# Altium PCB V1.0.PcbDoc (part 2 of 2)
Units mm, origin at the board's own origin, x right, y up, seen from the top; angles counter-clockwise.
Board outline 34 x 46.23 mm, 6 copper layers (TOP01, SIG02, SIG03, PWR04, GND05, BOTTOM06), stack 1.538 mm thick; 136 components, 92 nets, 515 pads, 196 vias.
Unrouted connection lines stored in the file: 94.
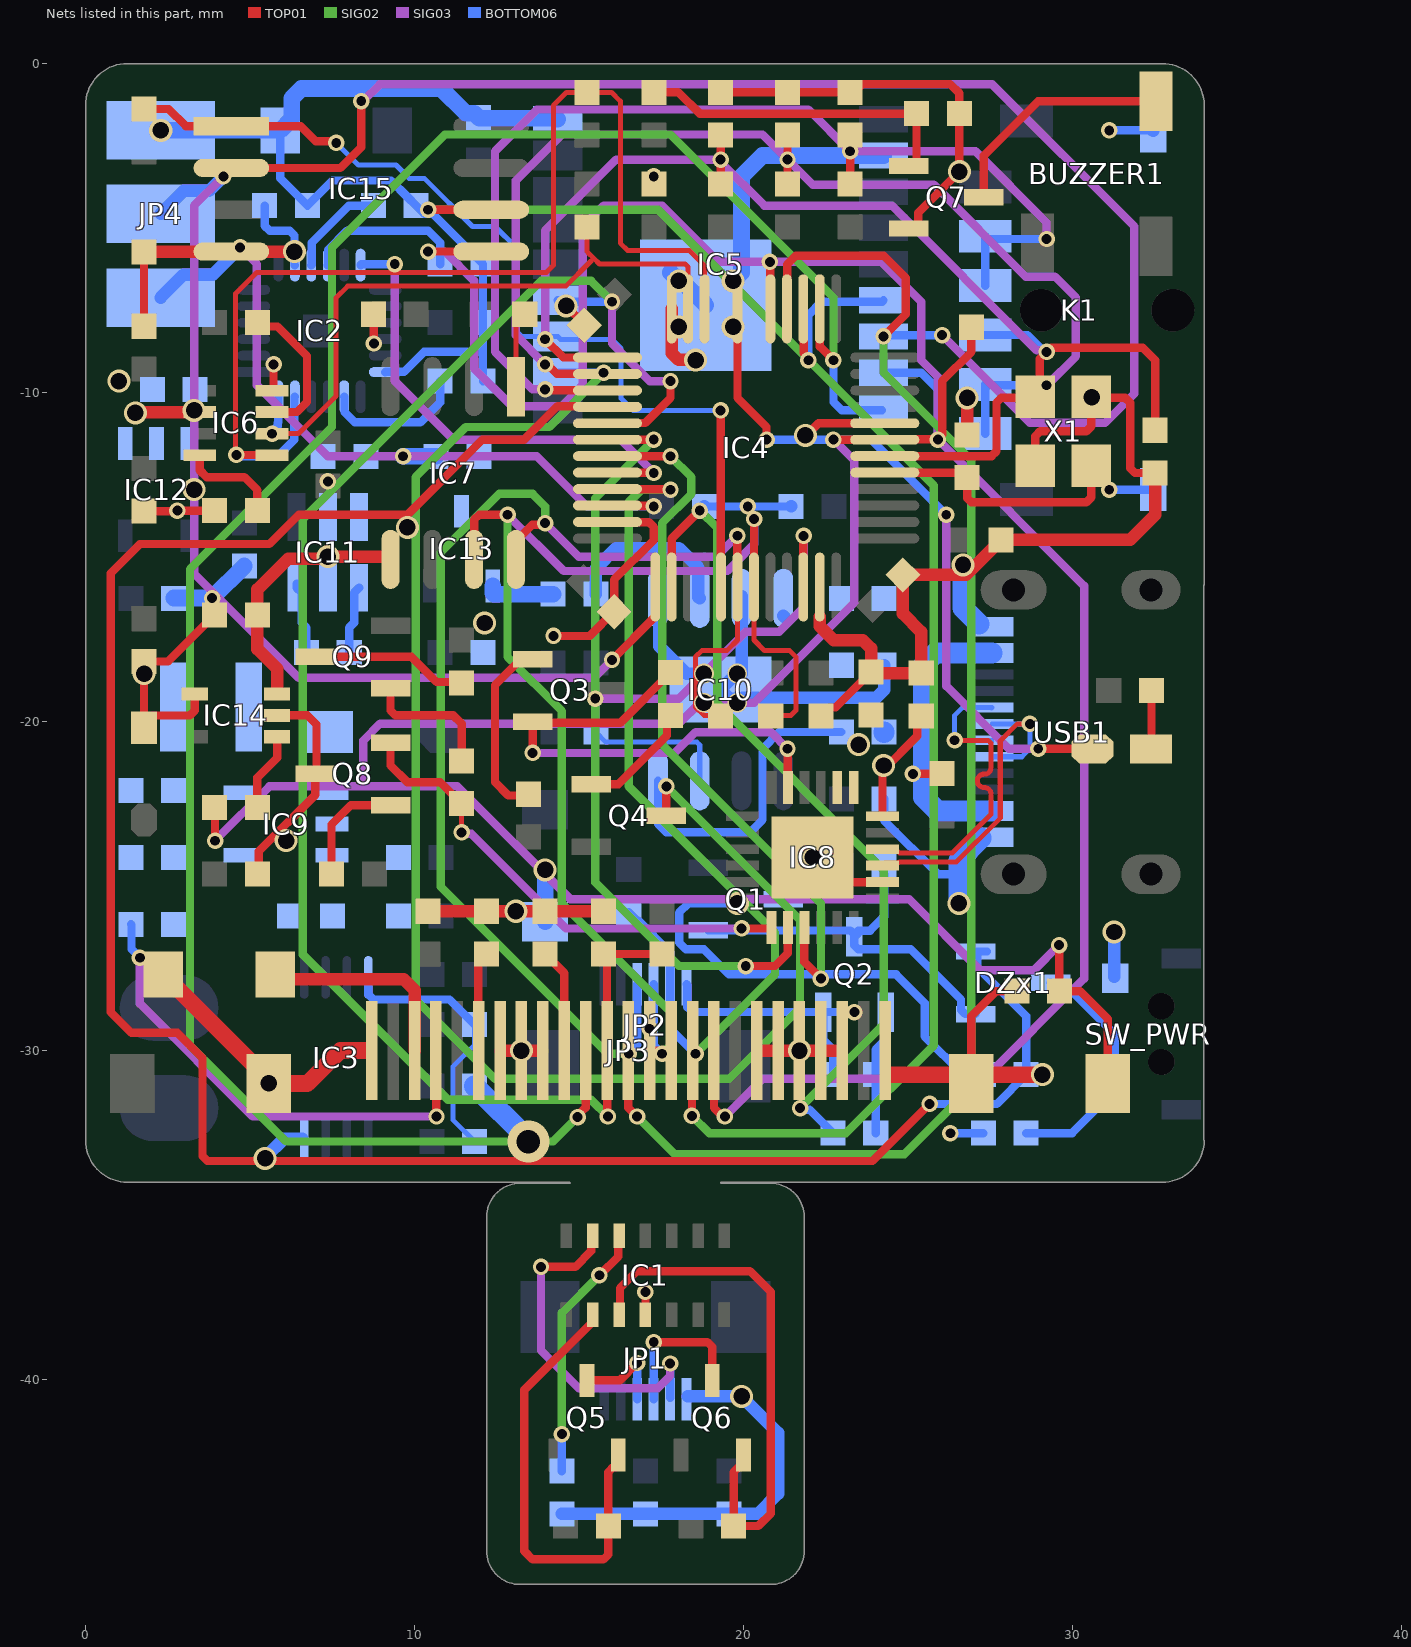
[diagram p6: the nets of this part, all layers, seen from the top]

## Via types
v1: diameter 0.5, hole 0.3, TOP01 to SIG03, tented both sides, 43 vias
v2: diameter 0.7, hole 0.5, PWR04 to BOTTOM06, tented both sides, 19 vias
v3: diameter 0.5, hole 0.3, SIG03 to BOTTOM06, tented both sides, 18 vias
v4: diameter 0.7, hole 0.5, TOP01 to GND05, tented both sides, 15 vias
v5: diameter 0.7, hole 0.5, GND05 to BOTTOM06, tented both sides, 14 vias
v6: diameter 0.5, hole 0.3, TOP01 to BOTTOM06, tented both sides, 14 vias
v7: diameter 0.5, hole 0.3, TOP01 to SIG02, tented both sides, 13 vias
v8: diameter 0.7, hole 0.5, TOP01 to PWR04, tented both sides, 13 vias
v9: diameter 0.5, hole 0.3, TOP01 to PWR04, tented both sides, 11 vias
v10: diameter 0.5, hole 0.3, TOP01 to GND05, tented both sides, 8 vias
v11: diameter 0.5, hole 0.3, GND05 to BOTTOM06, tented both sides, 8 vias
v12: diameter 0.5, hole 0.3, SIG02 to BOTTOM06, tented both sides, 7 vias
v13: diameter 0.6, hole 0.5, GND05 to BOTTOM06, tented both sides, 4 vias
v14: diameter 1.27, hole 0.711, GND05 to BOTTOM06, tented both sides, 3 vias
v15: diameter 0.5, hole 0.3, PWR04 to BOTTOM06, tented both sides, 2 vias
v16: diameter 0.8, hole 0.7, TOP01 to BOTTOM06, tented both sides, 2 vias
v17: diameter 0.7, hole 0.5, TOP01 to BOTTOM06, tented both sides, 1 vias
v18: diameter 1.27, hole 0.711, PWR04 to BOTTOM06, tented both sides, 1 vias

## Nets (pads, with @x,y where several pads share a name; then routed paths per layer and width w, separated by ;. In a path a pad name is that pad's centre, name@x,y a point inside that pad or via, vN(x,y) a via of type N, cw(c..) or ccw(c..) an arc to the next point about the centre after c; other vN are vias at no path point) (continued)
GND: C1.2 C2.1 C3.2 C4.1 C6.2 C7.2 C8.1 C9.2 C10.1 C11.1 C12.2 C13.2 C14.2 C15.2 C16.2 C17.2 C18.1 C19.1 C20.1 C21.1 C22.1 C24.1 C25.1 C26.1 C27.1 C28.2 C29.2 C30.2 C31.2 C32.1 C33.2 C34.2 C35.2 C36.2 C37.2 C38.2 C39.1 C41.1 C42.2 C43.1 C44.2 E1.2 E2.2 IC1.4 IC2.18 IC3.4 IC4.8 IC4.23 IC4.35 IC4.47 IC5.2 IC5.18 IC5.19 IC6.1 IC6.7 IC7.5 IC8.2 IC8.25 IC9.2 IC10.1 IC10.3 IC10.9 IC11.2 IC12.2 IC13.1 IC14.3 IC15.4 JP1.6 JP2.1 JP3.1 JP3.7 JP3.8 JP3.9 JP3.14 JP3.15 JP3.19 JP3.20 JP3.21 JP3.22 JP3.23 JP3.25 JP4.1 K1.a Q2.2 Q7.2 R4.2 R6.1 R7.2 R9.1 R24.1 R33.1 R34.1 R35.1 R36.1 R38.2 R39.2 R46.1 SW_PWR.2 SW_RST1.2 SW_RST2.2 USB1.A1B12 USB1.B1A12 X1.2 X1.4 | length 201.2
  TOP01 w0.254: C15.2@1.778,-7.986 C43.1@1.778,-5.73 ; C14.2@1.793,-13.589 C14.2@1.778,-13.604 2.779,-13.604 v10(2.794,-13.589) 3.795,-13.589 R24.1@3.81,-13.604 ; IC6.1@5.672,-9.942 5.715,-9.899 v10(5.715,-9.144) ; C16.2@8.748,-7.62 8.763,-7.635 v10(8.763,-8.509) ; v10(14.224,-17.399) 15.326,-17.399 C20.1@16.065,-16.66 16.065,-15.689 17.272,-14.481 17.272,-14.092 17.123,-13.943 15.873,-13.943 IC4.35@15.864,-13.934 ; v4(14.605,-7.366) 15.161,-7.922 C19.1@15.161,-7.953 ; IC1.4@17.018,-38.03 v10(17.018,-37.338) ; JP3.14@17.15,-30 JP3.15@17.8,-30 ; v4@18.533,-9.008 v4(18.542,-9.017) ; C17.2@19.304,-0.874 C13.2@21.336,-0.874 23.368,-0.874 23.62,-0.623 26.277,-0.623 26.558,-0.904 R46.1@26.558,-1.524 v4(26.558,-3.287) 25.313,-4.532 25.313,-4.891 25.19,-5.014 Q7.2@25.019,-5.014 ; v4@21.844,-11.303 21.911,-11.303 22.28,-10.934 IC4.8@24.293,-10.934 ; v4(22.098,-24.13) 22.848,-24.88 IC8.2@24.223,-24.88 ; IC4.47@22.316,-15.911 IC4.47@22.325,-15.92 ; R39.2@22.352,-19.827 22.606,-19.573 22.8,-19.573 C34.2@23.876,-18.497 C34.2@23.906,-18.527 ; v10(25.146,-21.59) C29.2@26.02,-21.59 ; SW_RST2.2@26.925,-30.775 26.925,-28.955 27.686,-28.194 C32.1@28.306,-28.194 ; X1.4@28.868,-12.226 28.868,-11.325 29.017,-11.176 30.419,-11.176 30.568,-11.027 X1.2@30.568,-10.126 30.602,-10.16 31.601,-10.16 31.75,-10.309 31.75,-12.297 31.899,-12.446 C33.2@32.512,-12.446
  TOP01 w0.381: v4(1.514,-10.619) 1.528,-10.605 3.458,-10.605 IC6.7@3.472,-10.592 ; C43.1@1.778,-5.73 1.786,-5.723 4.425,-5.723 IC15.4@4.432,-5.715 v4(6.35,-5.715) ; IC14.3@5.822,-19.162 5.822,-18.395 5.222,-17.795 5.222,-15.987 6.162,-15.047 7.305,-15.047 v4(7.366,-14.986) 9.193,-14.986 9.271,-15.064 IC7.5@9.271,-15.071 ; C24.1@10.414,-25.766 C25.1@12.192,-25.766 R35.1@13.97,-25.766 C39.1@15.748,-25.766 ; JP3.7@12.621,-30.013 12.634,-30 v4(13.25,-30) 13.869,-30 JP3.9@13.878,-30.009 ; IC4.23@17.816,-7.457 17.816,-8.799 18.025,-9.008 v4@18.533,-9.008 ; JP3.19@20.426,-30.001 20.427,-30 JP3.20@21.05,-30 v4(21.7,-30) JP3.22@22.35,-30 22.974,-30 JP3.23@22.98,-30.005 ; IC4.47@22.319,-16.816 22.319,-17.104 22.74,-17.526 23.622,-17.526 23.876,-17.78 C34.2@23.876,-18.497 ; C34.2@23.906,-18.527 C30.2@25.4,-18.527 25.4,-17.272 24.844,-16.716 C21.1@24.844,-15.542 26.764,-15.542 C22.1@27.828,-14.478 31.75,-14.478 32.512,-13.716 C33.2@32.512,-12.446 ; C31.2@26.797,-11.288 v4(26.797,-10.16)
  TOP01 w0.508: E2.2@2.364,-27.686 2.364,-27.786 2.71,-28.132 2.81,-28.132 5.032,-30.354 5.154,-30.354 5.575,-30.775 v4(5.575,-31) 6.743,-31 7.743,-30 JP3.1@8.606,-30 ; JP3.25@24.397,-30.734 26.659,-30.734 SW_RST2.2@26.925,-31 27.191,-30.734 v4(29.083,-30.734) ; C29.2@26.02,-21.59 C29.2@26.035,-21.575
  BOTTOM06 w0.254: C7.2@5.92,-2.132 5.92,-3.492 C3.2@6.746,-4.318 7.508,-3.556 9.286,-3.556 9.794,-4.064 R4.2@10.048,-4.318 10.302,-4.572 10.556,-4.572 C9.2@12.08,-6.096 C11.1@12.08,-7.874 12.08,-8.763 ; C7.2@5.92,-2.048 C7.2@5.92,-2.032 ; IC2.18@9.112,-9.378 9.121,-9.369 9.681,-9.369 10.287,-8.763 12.08,-8.763 ; C8.1@12.08,-9.652 12.08,-8.763 ; JP2.1@18.268,-27.983 18.291,-28.006 18.291,-28.68 18.44,-28.829 Q2.2@22.418,-28.829 ; C10.1@18.811,-13.462 C18.1@21.448,-13.462 ; R9.1@22.718,-30.734 22.718,-29.972 22.418,-29.672 Q2.2@22.418,-28.829 ; v11(23.368,-28.829) Q2.2@22.418,-28.829 ; C28.2@24.272,-22.352 24.272,-23.002 25.908,-24.638 26.543,-24.638 ; v11(26.289,-32.512) C2.1@27.29,-32.512 ; v11(31.115,-12.954) K1.a@32.446,-12.954 ; v11(31.115,-2.032) K1.a@32.432,-2.032 ; SW_PWR.2@31.261,-27.761 SW_PWR.2@31.3,-27.8
  BOTTOM06 w0.381: v5(5.461,-33.274) 5.461,-33.255 6.04,-32.676 IC3.4@6.584,-32.676 ; R6.1@14.478,-44.084 C1.2@17.018,-44.084 C4.1@19.558,-44.084 20.432,-44.084 21.047,-43.469 21.047,-41.621 v5(19.939,-40.513) ; IC10.1@17.401,-16.254 IC10.1@17.399,-16.256 17.441,-16.298 17.441,-17.715 18.268,-18.542 v13(18.796,-18.542) ; JP1.6@18.308,-40.513 v5@20.025,-40.513 ; IC5.19@19.596,-6.604 v5(19.685,-6.604) ; v13(19.812,-19.431) 19.972,-19.271 24.036,-19.271 24.272,-19.035 C27.1@24.272,-18.288 ; IC10.9@19.812,-19.304 19.58,-19.304 IC10.9@19.304,-19.028 19.79,-18.542 v13(19.812,-18.542) ; IC10.3@19.924,-16.241 IC10.3@19.939,-16.256 ; IC10.9@19.939,-18.542 IC10.3@19.939,-16.186 ; SW_PWR.2@31.261,-27.761 v5(31.261,-26.397) ; K1.a@32.432,-2.032 K1.a@32.45,-2.05 ; K1.a@32.446,-12.954 K1.a@32.45,-12.95
  BOTTOM06 w0.508: v5(2.286,-2.032) C7.2@5.92,-2.032 6.266,-1.686 6.266,-1.06 6.564,-0.762 10.81,-0.762 11.557,-1.509 11.811,-1.509 C6.2@11.938,-1.636 11.968,-1.666 14.324,-1.666 IC5.18@14.354,-1.696 ; C38.2@2.691,-16.247 v11(3.849,-16.247) C42.2@4.826,-15.27 ; v11(9.652,-11.938) C35.2@10.653,-11.938 ; IC13.1@12.38,-15.875 12.38,-16.092 12.417,-16.129 R36.1@14.209,-16.129 ; E1.2@13.97,-26.084 v5(13.97,-24.511) ; IC5.19@17.78,-6.35 v5(18.034,-6.604) ; IC5.19@18.073,-6.565 IC5.19@18.854,-7.346 ; v5(19.685,-6.604) 19.939,-6.35 19.939,-3.429 20.572,-2.796 IC5.2@24.254,-2.796
  BOTTOM06 w0.635: R7.2@11.826,-31.073 13.462,-32.709 v14(13.462,-32.766) ; v5(26.543,-25.527) 26.543,-24.638 26.543,-24.219 USB1.B1A12@27.224,-23.537 ; v5(26.67,-15.24) 26.67,-16.548 USB1.A1B12@27.159,-17.037
  other v4: 13.081,-25.766 21.877,-11.303 30.585,-10.143
  other v5: 6.096,-23.622 12.127,-17.004 1.016,-9.652 18.034,-8.001 19.685,-8.001
  other v10: 17.145,-29.337 17.272,-3.429
  other v11: 20.13,-13.462 7.366,-12.7
  other v13: 18.796,-19.431
HSPI_CLK: IC4.15 IC5.6 IC15.6 JP3.16 | length 53.9
  TOP01 w0.254: v7(10.414,-4.445) IC15.6@12.332,-4.445 ; v7(18.433,-31.986) 18.433,-30.017 JP3.16@18.45,-30 ; IC4.15@21.816,-7.457 21.825,-7.466 21.825,-8.804 21.971,-8.95 v6(21.971,-9.017)
  SIG02 w0.254: v7(10.414,-4.445) 17.399,-4.445 v6(21.971,-9.017) 25.781,-12.827 25.781,-29.845 23.114,-32.512 18.958,-32.512 v7(18.433,-31.986)
  BOTTOM06 w0.254: v6(21.971,-9.017) 21.971,-7.642 22.374,-7.239 24.211,-7.239 IC5.6@24.254,-7.196
HSPI_CS1: IC4.14 IC5.9 JP3.11 | length 66.7
  TOP01 w0.254: v7(14.957,-32.021) 14.957,-31.979 15.2,-31.736 JP3.11@15.2,-30 ; IC4.14@22.321,-7.457 22.321,-8.605 v6(22.733,-9.017)
  SIG02 w0.254: v7(14.957,-32.021) 14.212,-32.766 6.096,-32.766 3.175,-29.845 3.175,-15.367 7.493,-11.049 7.493,-5.588 10.922,-2.159 17.78,-2.159 22.733,-7.112 v6(22.733,-9.017)
  BOTTOM06 w0.254: v6(22.733,-9.017) 22.733,-10.287 22.987,-10.541 IC5.9@24.209,-10.541
HSPI_CS2: IC4.41 IC5.12 IC15.1 R43.1 | length 29.1
  TOP01 w0.254: R43.1@1.778,-1.382 2.525,-1.382 3.048,-1.905 IC15.1@4.432,-1.905 6.537,-1.905 6.998,-2.366 7.573,-2.366 v6(7.62,-2.413) ; v6(19.304,-10.541) 19.31,-10.547 19.31,-15.905 IC4.41@19.316,-15.911
  BOTTOM06 w0.152: v6(7.62,-2.413) 8.292,-3.085 9.435,-3.085 9.839,-3.489 10.296,-3.489 11.761,-4.953 12.446,-4.953 13.081,-5.588 13.081,-8.128 13.249,-8.296 IC5.12@14.354,-8.296 14.443,-8.385 16.002,-8.385 16.274,-8.657 16.274,-10.178 16.637,-10.541 v6(19.304,-10.541)
HSPI_MISO: IC4.16 IC5.7 IC15.2 JP3.13 | length 90.2
  TOP01 w0.254: IC15.2@4.432,-3.175 7.747,-3.175 8.382,-2.54 v1(8.382,-1.143) ; JP3.13@16.5,-30 16.5,-31.742 16.762,-32.004 v7(16.764,-32.004) ; IC4.16@21.316,-7.457 21.325,-7.448 21.325,-6.107 21.584,-5.848 24.263,-5.848 24.935,-6.52 24.935,-7.615 v6(24.254,-8.296)
  SIG03 w0.254: v1(8.382,-1.143) 8.438,-1.143 8.946,-0.635 27.559,-0.635 31.877,-4.953 31.877,-10.033 30.988,-10.922 28.702,-10.922 v3(26.035,-8.255)
  SIG02 w0.254: v7(16.764,-32.004) 17.907,-33.147 24.892,-33.147 26.924,-31.115 26.924,-12.065 24.254,-9.395 v6(24.254,-8.296)
  BOTTOM06 w0.254: v6(24.254,-8.296) 24.295,-8.255 v3(26.035,-8.255)
HSPI_MOSI: IC4.17 IC5.8 IC15.5 JP3.17 | length 69.3
  TOP01 w0.254: v1(10.414,-5.715) IC15.5@12.332,-5.715 ; JP3.17@19.1,-30 19.1,-31.742 19.315,-31.957 19.384,-31.957 v1(19.431,-32.004) ; v1(20.801,-6.028) 20.809,-6.035 20.809,-7.45 IC4.17@20.816,-7.457
  SIG03 w0.254: v1(10.414,-5.715) 10.922,-5.715 11.811,-6.604 11.811,-9.271 12.954,-10.414 14.478,-10.414 15.113,-9.779 15.113,-4.953 15.748,-4.318 17.526,-4.318 19.236,-6.028 v1(20.801,-6.028) 24.189,-6.028 25.4,-7.239 25.4,-9.017 25.908,-9.525 v3(25.908,-11.43) 30.353,-15.875 30.353,-27.813 27.305,-30.861 20.574,-30.861 v1(19.431,-32.004)
  BOTTOM06 w0.254: IC5.8@24.254,-9.396 25.398,-9.396 25.908,-9.906 v3(25.908,-11.43)
I2C1_SCL: IC4.42 IC7.8 JP2.4 R12.2 | length 40.1
  TOP01 w0.152: R12.2@19.289,-19.812 18.796,-19.812 18.542,-19.558 18.542,-18.034 18.741,-17.835 19.503,-17.835 19.816,-17.522 IC4.42@19.816,-15.911
  TOP01 w0.254: IC7.8@13.081,-15.071 13.081,-14.516 13.58,-14.017 13.923,-14.017 v1(13.97,-13.97) ; R12.2@19.289,-19.812 R12.2@19.304,-19.827 ; v1(19.812,-14.351) 19.814,-14.353 19.814,-15.909 IC4.42@19.816,-15.911
  SIG03 w0.254: v1(13.97,-13.97) 14.986,-14.986 19.177,-14.986 v1(19.812,-14.351)
  SIG02 w0.254: v1(13.97,-13.97) 13.97,-13.462 13.589,-13.081 12.573,-13.081 10.795,-14.859 10.795,-25.019 15.875,-30.099 v12(16.51,-30.099)
  BOTTOM06 w0.254: v12@16.51,-30.032 v12(16.51,-30.099) 16.768,-29.841 JP2.4@16.768,-27.983
I2C1_SDA: IC4.43 IC7.7 JP2.3 R13.2 | length 40
  TOP01 w0.152: IC4.43@20.316,-15.911 20.316,-17.522 20.639,-17.845 21.401,-17.845 21.59,-18.034 21.59,-19.663 21.441,-19.812 R13.2@20.843,-19.812
  TOP01 w0.254: IC7.7@11.811,-15.071 11.811,-13.865 11.96,-13.716 v1(12.827,-13.716) ; IC4.43@20.316,-15.911 20.318,-15.909 20.318,-13.845 v1(20.32,-13.843)
  SIG03 w0.254: v1(12.827,-13.716) 14.534,-15.423 19.514,-15.423 19.812,-15.126 19.812,-15.113 20.32,-14.605 v1(20.32,-13.843)
  SIG02 w0.254: v1(12.827,-13.716) 12.827,-18.034 14.478,-19.685 14.478,-25.527 17.78,-28.829 17.78,-29.827 17.526,-30.081 v12(17.526,-30.099)
  BOTTOM06 w0.254: JP2.3@17.268,-27.983 17.268,-29.827 17.526,-30.085 v12(17.526,-30.099)
I2C2_SCL: IC2.23 IC4.21 IC6.4 R15.2 | length 35
  TOP01 w0.152: v6(4.587,-11.897) 4.565,-11.875 4.565,-6.992 5.207,-6.35 14.008,-6.35 14.224,-6.134 14.224,-1.27 14.62,-0.874 R15.2@15.24,-0.874 15.987,-0.874 16.256,-1.143 16.256,-5.461 16.48,-5.685 18.353,-5.685 18.816,-6.148 IC4.21@18.816,-7.457
  TOP01 w0.254: v6(4.587,-11.897) 4.59,-11.9 5.67,-11.9 IC6.4@5.672,-11.902
  BOTTOM06 w0.254: v6(4.587,-11.897) 4.628,-11.938 5.842,-11.938 6.341,-11.439 6.341,-10.532 6.353,-10.519 6.353,-10.137 IC2.23@6.362,-10.128
I2C2_SDA: IC2.24 IC4.22 IC6.3 R16.2 | length 20.2
  TOP01 w0.152: v6(5.672,-11.252) 6.473,-11.252 7.62,-10.105 7.62,-7.112 7.967,-6.765 14.598,-6.765 15.317,-6.046 15.444,-5.919 ; 15.24,-5.715 R16.2@15.24,-4.968 ; 15.267,-5.742 15.444,-5.919 ; IC4.22@18.316,-7.457 18.316,-6.185 18.227,-6.096 15.621,-6.096 15.444,-5.919
  BOTTOM06 w0.254: v6(5.672,-11.252) 5.672,-11.186 5.842,-11.016 5.842,-10.922 5.862,-10.902 IC2.24@5.862,-10.128
I2C_SCL: JP1.3 Q5.3 | length 2.8
  TOP01 w0.254: Q5.3@15.24,-40.023 16.238,-40.023 v6(16.764,-39.497)
  BOTTOM06 w0.254: v6(16.764,-39.497) 16.766,-39.499 16.766,-40.595 JP1.3@16.768,-40.597
I2C_SDA: JP1.4 Q6.3 | length 4.6
  TOP01 w0.254: v6(17.272,-38.862) 18.901,-38.862 19.05,-39.011 Q6.3@19.05,-40.023
  BOTTOM06 w0.254: JP1.4@17.268,-40.597 17.27,-40.595 17.27,-38.864 v6(17.272,-38.862)
IO0: IC5.11 Q4.3 | length 47.2
  TOP01 w0.254: Q4.3@17.653,-22.86 v7(17.653,-21.971)
  SIG02 w0.254: v12(15.748,-9.398) 14.097,-11.049 11.557,-11.049 10.033,-12.573 10.033,-28.448 12.446,-30.861 19.558,-30.861 21.717,-28.702 21.717,-26.035 v7@17.655,-21.973
  BOTTOM06 w0.152: IC5.11@14.354,-9.396 IC5.11@14.356,-9.398
  BOTTOM06 w0.254: IC5.11@14.356,-9.398 v12(15.748,-9.398)
KEY1: C12.1 IC4.27 K1.c K1.d R20.1 | length 34.1
  TOP01 w0.254: v1(13.97,-9.906) 13.989,-9.925 15.856,-9.925 IC4.27@15.864,-9.934 ; R20.1@23.241,-3.668 C12.1@23.241,-2.174
  SIG03 w0.254: v1(13.97,-9.906) 13.968,-9.904 13.587,-9.904 12.446,-8.763 12.446,-2.667 13.716,-1.397 21.971,-1.397 v1(23.241,-2.667) 27.051,-2.667 29.21,-4.826 v3(29.21,-5.334)
  BOTTOM06 w0.254: K1.d@27.35,-6.75 K1.c@27.35,-5.25 27.434,-5.334 v3(29.21,-5.334)
KEY2: C13.1 IC4.26 K1.f K1.g R21.1 | length 35.5
  TOP01 w0.254: v1(13.97,-9.144) 14.037,-9.144 14.327,-9.434 IC4.26@15.864,-9.434 ; R21.1@21.336,-3.668 v1(21.336,-2.921) C13.1@21.336,-2.174
  SIG03 w0.254: v1(13.97,-9.144) 13.081,-8.255 13.081,-3.556 14.478,-2.159 20.574,-2.159 v1(21.336,-2.921) 22.098,-3.683 25.781,-3.683 28.575,-6.477 29.464,-6.477 30.099,-7.112 30.099,-8.9 v3@29.22,-9.779
  BOTTOM06 w0.254: K1.g@27.35,-11.25 K1.f@27.35,-9.75 27.379,-9.779 v3(29.21,-9.779)
KEY3: C17.1 IC4.25 K1.e R22.1 | length 27.6
  TOP01 w0.254: v1(13.97,-8.382) 14.522,-8.934 IC4.25@15.864,-8.934 ; R22.1@19.304,-3.663 v1(19.304,-2.921) C17.1@19.304,-2.174
  SIG03 w0.254: v1(13.97,-8.382) 13.97,-5.08 16.129,-2.921 v1(19.304,-2.921) 19.304,-2.988 20.634,-4.318 24.511,-4.318 28.909,-8.716 29.163,-8.716 v3(29.21,-8.763)
  BOTTOM06 w0.254: K1.e@27.35,-8.25 28.63,-8.25 29.143,-8.763 v3(29.21,-8.763)
KEY4: DZx1.2 IC4.28 R1.2 | length 67.2
  TOP01 w0.254: IC4.28@15.24,-10.414 14.351,-10.414 13.335,-11.43 12.065,-11.43 9.779,-13.716 6.477,-13.716 5.588,-14.605 1.651,-14.605 0.762,-15.494 0.762,-28.829 1.397,-29.464 2.794,-29.464 3.556,-30.226 3.556,-33.209 3.705,-33.358 23.919,-33.358 v6(25.654,-31.623)
  BOTTOM06 w0.254: v6(25.654,-31.623) 27.701,-31.623 R1.2@28.59,-30.734 28.59,-28.95 27.112,-27.472 27.112,-27.007 DZx1.2@27.095,-26.99 ; DZx1.2@27.051,-26.99 DZx1.2@27.095,-26.99 ; DZx1.2@27.401,-26.99 DZx1.2@27.095,-26.99
LED: IC4.19 LED1.2 | length 21.2
  TOP01 w0.254: IC4.19@19.816,-7.457 19.816,-10.163 20.7,-11.047 20.7,-11.411 v6@20.701,-11.412 ; v1(28.956,-20.828) 28.959,-20.831 30.604,-20.831 LED1.2@30.607,-20.835
  SIG03 w0.254: v3(26.162,-13.716) 26.162,-18.923 28.067,-20.828 v1(28.956,-20.828)
  BOTTOM06 w0.254: v6(20.701,-11.43) 23.876,-11.43 v3(26.162,-13.716)
MAX_INT: IC1.13 IC4.33 JP1.5 JP2.2 R25.1 | length 38.8
  TOP01 w0.254: v1(13.843,-36.576) 14.888,-36.576 15.37,-36.094 15.37,-35.678 IC1.13@15.418,-35.63 ; IC4.33@15.864,-12.934 15.873,-12.943 17.769,-12.943 v7(17.78,-12.954)
  SIG03 w0.254: v1(13.843,-36.576) 13.843,-39.116 14.986,-40.259 17.399,-40.259 17.764,-39.894 17.764,-39.514 v3(17.766,-39.512)
  SIG02 w0.254: v7(17.78,-12.954) 16.891,-12.954 16.51,-13.335 16.51,-21.971 20.955,-26.416 20.955,-27.686 v12(18.542,-30.099)
  BOTTOM06 w0.254: R25.1@16.51,-25.796 16.764,-26.05 16.803,-26.05 17.768,-27.015 17.768,-29.325 v12(18.542,-30.099) ; JP1.5@17.767,-40.556 v3(17.766,-39.512)
MAX_SCL: IC1.2 Q5.2 R18.2 | length 13.9
  TOP01 w0.254: IC1.2@15.418,-38.03 15.418,-38.23 13.335,-40.313 13.335,-45.212 13.589,-45.466 15.741,-45.466 15.89,-45.317 R18.2@15.89,-44.45 15.89,-42.813 16.039,-42.664 16.092,-42.664 16.19,-42.566 Q5.2@16.19,-42.291
MAX_SDA: IC1.3 Q6.2 R19.2 | length 16.2
  TOP01 w0.254: IC1.3@16.218,-38.03 16.245,-38.003 16.245,-37.222 16.764,-36.703 20.193,-36.703 20.828,-37.338 20.828,-44.069 20.447,-44.45 R19.2@19.7,-44.45 19.7,-42.813 19.849,-42.664 19.902,-42.664 20,-42.566 Q6.2@20,-42.291
MPU_INT: IC2.12 IC4.32 | length 15.1
  TOP01 w0.254: IC4.32@15.864,-12.434 15.87,-12.44 17.266,-12.44 v1(17.272,-12.446)
  SIG03 w0.254: v3(9.398,-6.096) 9.398,-9.652 11.176,-11.43 16.256,-11.43 v1(17.272,-12.446)
  BOTTOM06 w0.254: IC2.12@8.362,-6.128 8.362,-6.117 8.383,-6.096 v3(9.398,-6.096)
NetBUZZER1_2: BUZZER1.2 Q7.3 | length 7.2
  TOP01 w0.254: Q7.3@27.305,-4.064 27.305,-2.794 28.949,-1.15 BUZZER1.2@32.534,-1.15
NetC2_2: C2.2 DZx1.3 SW_PWR.1 | length 7.5
  BOTTOM06 w0.254: C2.2@28.59,-32.512 29.988,-32.512 30.977,-31.523 31.027,-31.523 SW_PWR.1@31.3,-31.25 ; DZx1.3@29.337,-27.94 29.46,-28.063 29.841,-28.063 31.28,-29.502 31.28,-31.18 SW_PWR.1@31.3,-31.2
NetC3_1: C3.1 IC2.8 | length 2.5
  BOTTOM06 w0.254: C3.1@5.446,-4.318 5.446,-4.931 5.595,-5.08 6.204,-5.08 6.353,-5.229 6.353,-6.119 IC2.8@6.362,-6.128
NetC5_2: C5.2 IC3.8 R3.1 | length 8.2
  BOTTOM06 w0.152: C5.2@11.826,-32.766 11.176,-32.116 11.176,-30.48 11.826,-29.83 R3.1@11.826,-29.21
  BOTTOM06 w0.254: IC3.8@8.595,-27.776 8.595,-28.296 8.747,-28.448 11.064,-28.448 R3.1@11.826,-29.21
NetC8_2: C8.2 IC2.20 | length 4.4
  BOTTOM06 w0.254: IC2.20@7.862,-10.128 7.871,-10.137 7.871,-10.594 8.184,-10.907 10.175,-10.907 10.78,-10.302 C8.2@10.78,-9.652
NetC9_1: C9.1 IC2.10 | length 4.9
  BOTTOM06 w0.254: IC2.10@7.362,-6.128 7.371,-6.119 7.371,-5.662 7.953,-5.08 10.414,-5.08 10.78,-5.446 C9.1@10.78,-6.096
NetC23_1: C23.1 IC9.3 R28.1 R33.2
NetC25_2: C25.2 JP3.6 | length 3
  TOP01 w0.254: JP3.6@11.941,-29.991 11.941,-27.316 C25.2@12.192,-27.066
NetC27_2: C27.2 IC10.4 R29.1 | length 0.1
  BOTTOM06 w0.381: IC10.4@21.209,-16.786 IC10.4@21.251,-16.828
NetC30_1: C30.1 IC8.6 | length 3.5
  TOP01 w0.254: IC8.6@24.223,-22.88 24.223,-21.497 25.28,-20.44 25.28,-19.947 C30.1@25.4,-19.827
NetC40_1: C40.1 IC11.6 | length 2.2
  BOTTOM06 w0.254: IC11.6@6.416,-15.807 IC11.6@6.416,-15.934 6.564,-16.082 6.564,-16.993 6.716,-17.145 C40.1@6.716,-17.907
NetC40_2: C40.2 IC11.4 | length 2.1
  BOTTOM06 w0.254: C40.2@8.016,-17.907 8.016,-17.145 8.168,-16.993 8.168,-16.082 IC11.4@8.316,-15.934
NetC44_1: C44.1 D2.1 IC14.4 R49.1 | length 7
  TOP01 w0.254: D2.1@1.778,-20.19 R49.1@1.778,-18.176 2.51,-18.176 C44.1@3.922,-16.764 ; D2.1@1.779,-20.155 1.779,-20.089 2.051,-19.817 3.168,-19.817 3.322,-19.663 IC14.4@3.322,-19.162
NetD1_1: D1.1 IC9.1 L1.2
NetDZx1_1: DZx1.1 Q1.1 Q2.3 R5.2 | length 12
  BOTTOM06 w0.254: Q1.1@18.923,-26.35 23.245,-26.35 23.368,-26.473 23.368,-26.801 23.491,-26.924 25.085,-26.924 26.611,-28.45 26.611,-28.767 26.734,-28.89 DZx1.1@27.051,-28.89 ; Q2.3@23.368,-26.543 23.491,-26.42 23.491,-26.356 23.85,-26.356 24.272,-25.934 R5.2@24.272,-24.638
NetE2_1: E2.1 JP3.3 | length 6.3
  TOP01 w0.381: E2.1@5.764,-27.686 5.918,-27.84 9.679,-27.84 10,-28.161 JP3.3@10,-30
NetIC1_12: IC1.12 R6.2 | length 7.9
  TOP01 w0.254: v7(15.621,-36.83) 16.193,-36.258 16.193,-35.655 IC1.12@16.218,-35.63
  SIG02 w0.254: v12(14.478,-41.656) 14.478,-37.973 v7(15.621,-36.83)
  BOTTOM06 w0.254: R6.2@14.478,-42.784 v12(14.478,-41.656)
NetIC2_9: IC2.9 R4.1 | length 3
  BOTTOM06 w0.254: IC2.9@6.862,-6.128 6.871,-6.119 6.871,-5.453 8.006,-4.318 R4.1@8.748,-4.318
NetIC6_2: IC6.2 R17.1 | length 4.5
  TOP01 w0.254: R17.1@5.222,-7.874 5.342,-7.994 5.835,-7.994 6.731,-8.89 6.731,-10.287 6.426,-10.592 IC6.2@5.672,-10.592
NetIC6_5: IC6.5 R24.2 | length 3.1
  TOP01 w0.254: IC6.5@3.472,-11.902 3.472,-12.362 3.683,-12.573 4.826,-12.573 5.222,-12.969 R24.2@5.222,-13.589
NetIC7_1: IC7.1 R11.2 | length 2.3
  TOP01 w0.152: IC7.1@13.081,-9.821 13.081,-7.889 R11.2@13.35,-7.62
NetIC9_4: IC9.4 R32.1 R34.2
NetIC10_2: IC10.2 R36.2 | length 5.3
  BOTTOM06 w0.381: R36.2@15.509,-16.129 15.509,-15.352 16.129,-14.732 18.034,-14.732 18.627,-15.325 18.627,-16.214 IC10.2@18.669,-16.256
NetIC10_8: IC10.8 R27.1 | length 9.5
  BOTTOM06 w0.254: IC10.8@17.399,-21.801 17.399,-23.114 17.653,-23.368 20.193,-23.368 20.574,-22.987 20.574,-20.828 21.082,-20.32 R27.1@22.972,-20.32
NetIC14_1: IC14.1 R41.2 | length 2.4
  TOP01 w0.254: R41.2@5.222,-22.606 5.222,-21.702 5.822,-21.102 IC14.1@5.822,-20.462
NetIC14_2: IC14.2 Q8.3 R42.2 | length 6.6
  TOP01 w0.254: R42.2@5.222,-24.638 5.263,-24.597 5.263,-23.947 6.985,-22.225 Q8.3@6.985,-21.59 7.021,-21.554 7.021,-20.088 6.746,-19.812 IC14.2@5.822,-19.812
NetJP3_10: JP3.10 R35.2 | length 3.2
  TOP01 w0.254: R35.2@13.97,-27.066 14.55,-27.646 JP3.10@14.55,-30
NetLED1_1: LED1.1 R26.1 | length 1.8
  TOP01 w0.254: LED1.1@32.385,-20.835 32.4,-20.819 R26.1@32.4,-19.05
NetQ2_1: Q2.1 R8.1 R9.2 | length 3.8
  BOTTOM06 w0.254: R8.1@24.018,-32.512 R9.2@24.018,-30.734 24.018,-29.972 24.318,-29.672 Q2.1@24.318,-28.829
NetQ3_1: Q3.1 R14.2 | length 5.6
  TOP01 w0.254: R14.2@13.462,-22.21 13.425,-22.247 12.849,-22.247 12.446,-21.844 12.446,-18.893 13.239,-18.1 Q3.1@13.589,-18.1
NetQ4_1: Q4.1 R23.1 | length 3.6
  TOP01 w0.254: Q4.1@15.367,-21.91 15.376,-21.901 16.199,-21.901 17.675,-20.425 17.675,-19.918 R23.1@17.78,-19.812
NetQ7_1: Q7.1 R44.2 R46.2 | length 10
  TOP01 w0.152: Q7.1@25.019,-3.114 25.084,-3.114 Q7.1@25.258,-2.94
  TOP01 w0.254: R44.2@17.287,-0.889 R44.2@17.272,-0.874 18.019,-0.874 18.669,-1.524 R46.2@25.258,-1.524 Q7.1@25.258,-2.94
NetQ8_1: Q8.1 R45.2 | length 3.5
  TOP01 w0.254: R45.2@7.478,-24.638 7.478,-23.129 8.067,-22.54 Q8.1@9.271,-22.54
NetQ9_1: Q9.1 R47.1 | length 4.1
  TOP01 w0.254: Q9.1@9.271,-18.984 9.271,-19.663 9.42,-19.812 11.176,-19.812 11.43,-20.066 R47.1@11.43,-21.194
NetQ9_3: Q9.3 R48.2 | length 4.8
  TOP01 w0.254: Q9.3@6.985,-18.034 9.906,-18.034 10.668,-18.796 11.4,-18.796 R48.2@11.43,-18.826
NRST: C32.2 IC4.7 R37.1 R41.1 SW_RST2.1 | length 65.4
  TOP01 w0.254: R41.1@3.922,-22.606 3.937,-22.621 v1(3.937,-23.622) ; v1(22.733,-11.43) 22.735,-11.432 24.291,-11.432 IC4.7@24.293,-11.434 24.302,-11.425 25.886,-11.425 26.035,-11.276 26.035,-9.652 26.924,-8.763 R37.1@26.924,-8.016 ; v1(29.591,-26.797) 29.591,-28.179 C32.2@29.606,-28.194 30.226,-28.194 31.075,-29.043 SW_RST2.1@31.075,-31
  SIG03 w0.254: v1(3.937,-23.622) 5.588,-21.971 8.446,-21.971 ; v1(22.733,-11.43) 23.368,-12.065 23.368,-16.383 20.32,-19.431 18.669,-19.431 18.034,-20.066 8.954,-20.066 8.446,-20.574 8.446,-21.971 ; v1(29.591,-26.797) 28.829,-27.559 27.191,-27.559 25.032,-25.4 14.732,-25.4 11.303,-21.971 8.446,-21.971
OLED_EN: JP3.4 R32.2 | length 15
  TOP01 w0.254: JP3.4@10.65,-30 10.659,-30.009 10.659,-31.995 v1(10.668,-32.004)
  SIG03 w0.254: v3(1.651,-27.178) 1.651,-28.575 5.08,-32.004 v1(10.668,-32.004)
  BOTTOM06 w0.254: R32.2@1.382,-26.162 1.397,-26.177 1.397,-26.916 1.651,-27.17 v3(1.651,-27.178)
OLED_RES: C39.2 IC4.29 IC5.13 JP3.12 R40.2 | length 51.9
  TOP01 w0.254: IC4.29@15.864,-10.934 15.87,-10.928 17.012,-10.928 17.78,-10.16 v1(17.78,-9.652) ; v7(15.875,-32.004) 15.863,-31.992 15.863,-30.012 JP3.12@15.85,-30 15.85,-27.168 C39.2@15.748,-27.066 R40.2@17.526,-27.066
  SIG03 w0.254: v12(16.002,-7.239) 16.002,-8.509 17.145,-9.652 v1(17.78,-9.652)
  SIG02 w0.254: v7(15.875,-32.004) 15.367,-31.496 11.011,-31.496 6.604,-27.089 6.604,-13.843 13.843,-6.604 15.367,-6.604 v12(16.002,-7.239)
  BOTTOM06 w0.254: IC5.13@14.354,-7.196 14.397,-7.239 v12(16.002,-7.239)
OSC_IN: C31.1 IC4.5 X1.1 | length 10.7
  TOP01 w0.254: C31.1@26.992,-12.783 C31.1@26.797,-12.588 26.797,-13.208 26.924,-13.335 30.419,-13.335 30.568,-13.186 X1.1@30.568,-12.226 ; IC4.5@24.293,-12.434 26.797,-12.434 IC4.5@24.293,-12.434
OSC_OUT: C33.1 IC4.6 X1.3 | length 13.8
  TOP01 w0.254: IC4.6@24.293,-11.934 27.541,-11.934 27.69,-11.785 27.69,-10.303 27.839,-10.155 X1.3@28.839,-10.155 ; X1.3@28.868,-10.176 X1.3@28.868,-10.126 ; X1.3@29.21,-9.779 28.868,-10.121 X1.3@28.868,-10.126 ; C33.1@32.512,-11.146 32.512,-9.017 32.131,-8.636 29.337,-8.636 29.005,-8.968 29.005,-9.989 X1.3@28.868,-10.126
POWER_EN: IC4.38 R8.2 | length 25.5
  TOP01 w0.254: IC4.38@17.816,-15.911 17.818,-15.909 17.818,-14.44 v7(18.669,-13.589)
  SIG02 w0.254: v7(18.669,-13.589) 19.203,-14.123 19.203,-19.457 24.257,-24.511 24.257,-29.21 v12(21.717,-31.75)
  BOTTOM06 w0.254: v12(21.717,-31.75) 21.764,-31.797 22.003,-31.797 R8.2@22.718,-32.512
RTS0: IC8.19 Q8.2 R47.2 | length 14.9
  TOP01 w0.152: v1(11.43,-23.368) R47.2@11.43,-22.494 ; IC8.19@20.814,-26.289 IC8.19@20.848,-26.255
  TOP01 w0.254: Q8.2@9.271,-20.64 9.271,-21.336 9.779,-21.844 10.78,-21.844 R47.2@11.43,-22.494 ; v1(19.939,-26.289) IC8.19@20.814,-26.289
  SIG03 w0.254: v1(11.43,-23.368) 11.477,-23.415 11.731,-23.415 14.605,-26.289 v1(19.939,-26.289)
RTS1: IC8.11 Q3.2 R23.2 | length 15.2
  TOP01 w0.254: v1(13.589,-20.955) Q3.2@13.589,-20 13.625,-20.036 16.256,-20.036 R23.2@17.78,-18.512 ; v1(21.336,-20.828) 21.342,-20.834 21.342,-21.999 IC8.11@21.348,-22.005
  SIG03 w0.254: v1(13.589,-20.955) 17.907,-20.955 18.542,-20.32 20.828,-20.32 v1(21.336,-20.828)
STDBY: IC4.46 IC10.7 R30.1 | length 16.6
  TOP01 w0.254: IC4.46@21.816,-15.911 v1@21.816,-14.369
  SIG03 w0.254: v3(15.494,-19.304) 18.034,-19.304 20.066,-17.272 21.082,-17.272 21.825,-16.529 v1(21.825,-14.36)
  BOTTOM06 w0.152: R30.1@15.494,-20.305 R30.1@15.509,-20.32 15.814,-20.625 18.58,-20.625 18.669,-20.714 IC10.7@18.669,-21.801
  BOTTOM06 w0.254: R30.1@15.494,-20.305 v3(15.494,-19.304)
SWCLK: IC4.37 JP4.2 | length 31.8
  TOP01 w0.254: v1(16.002,-18.125) 17.316,-16.811 IC4.37@17.316,-15.911
  SIG03 w0.254: v3(4.191,-3.429) 3.302,-4.318 3.302,-15.494 6.477,-18.669 15.458,-18.669 v1(16.002,-18.125)
  BOTTOM06 w0.381: JP4.2@2.286,-4.572 2.984,-3.873 3.746,-3.873 v3(4.191,-3.429)
SWDIO: IC4.34 JP4.3 | length 22.5
  TOP01 w0.254: IC4.34@15.864,-13.434 15.873,-13.443 17.253,-13.443 v1(17.272,-13.462)
  SIG03 w0.254: v3(4.699,-5.588) 5.207,-6.096 5.207,-9.779 7.366,-11.938 13.716,-11.938 15.24,-13.462 v1(17.272,-13.462)
  BOTTOM06 w0.381: JP4.3@2.286,-7.112 2.984,-6.413 3.873,-6.413 v3(4.699,-5.588)
USART1_RX: IC4.31 IC8.21 | length 22.2
  TOP01 w0.254: IC4.31@15.864,-11.934 15.866,-11.936 17.778,-11.936 v7(17.78,-11.938) ; IC8.21@21.848,-26.255 21.848,-27.309 v7(22.352,-27.813)
  SIG02 w0.254: v7(17.78,-11.938) 18.415,-12.573 18.415,-13.081 17.526,-13.97 17.526,-20.701 22.352,-25.527 v7(22.352,-27.813)
USART1_TX: IC4.30 IC8.20 | length 23.5
  TOP01 w0.254: IC4.30@15.864,-11.434 15.866,-11.432 17.27,-11.432 v7(17.272,-11.43) ; v7(20.066,-27.432) 20.955,-27.432 21.348,-27.039 IC8.20@21.348,-26.255
  SIG02 w0.254: v7(17.272,-11.43) 15.494,-13.208 15.494,-24.892 18.034,-27.432 v7(20.066,-27.432)
USBC_N: IC8.4 USB1.A7 USB1.B7 | length 11.1
  TOP01 w0.127: IC8.4@24.223,-23.88 IC8.4@24.573,-23.88
  TOP01 w0.152: IC8.4@24.223,-23.88 24.297,-23.954 24.7,-23.954 24.736,-23.99 26.352,-23.99 27.523,-22.82 27.523,-22.285 27.523,-22.209 ccw(c27.32,-22.209) 27.32,-22.006 27.311,-22.006 cw(c27.311,-21.802) 27.311,-21.599 27.32,-21.599 ccw(c27.32,-21.396) 27.523,-21.396 27.523,-21.059 27.523,-20.659 27.434,-20.57 v6(26.416,-20.57)
  BOTTOM06 w0.152: USB1.B7@27.539,-19.587 USB1.B7@27.557,-19.57 26.658,-19.57 26.416,-19.812 v6(26.416,-20.57) 26.416,-20.574 26.418,-20.572 27.555,-20.572 USB1.A7@27.557,-20.57
USBC_P: IC8.3 USB1.A6 USB1.B6 | length 11.1
  TOP01 w0.127: IC8.3@24.223,-24.38 IC8.3@24.573,-24.38
  TOP01 w0.152: IC8.3@24.223,-24.38 24.297,-24.306 24.573,-24.306 24.7,-24.306 24.736,-24.27 26.468,-24.27 27.802,-22.936 27.802,-20.589 28.321,-20.07 v6(28.702,-20.07)
  BOTTOM06 w0.152: USB1.B6@27.557,-21.07 28.46,-21.07 28.702,-20.828 v6(28.702,-20.07) USB1.A6@27.557,-20.07
VBAT: C26.2 C35.1 C37.1 C41.2 IC9.5 IC11.3 IC11.5 IC12.1 IC12.3 IC13.3 L1.1 Q1.3 R1.1 | length 14.3
  BOTTOM06 w0.254: v2(19.812,-25.527) 18.324,-25.527 18.044,-25.807 18.044,-26.716 18.252,-26.924 18.796,-26.924 19.558,-27.686 24.638,-27.686 25.505,-28.553 25.505,-29.569 26.67,-30.734 R1.1@27.29,-30.734
  other v2: 1.778,-18.542 9.779,-14.097 3.302,-12.954 3.302,-10.541
VBUS: C34.1 IC8.7 IC8.8 R27.2 R29.2 USB1.A4B9 USB1.B4A9 | length 8.5
  BOTTOM06 w0.635: v2(24.257,-21.336) v2@24.269,-21.324 ; R27.2@24.264,-20.327 R27.2@24.272,-20.32 ; USB1.A4B9@27.557,-17.92 25.835,-17.92 25.463,-18.292 25.463,-22.288 25.895,-22.72 USB1.B4A9@27.557,-22.72
  other v8: 23.495,-20.701
pads on no net: BUZZER1.3 IC1.1 IC1.5 IC1.6 IC1.7 IC1.8 IC1.14 IC2.1 IC2.2 IC2.3 IC2.4 IC2.5 IC2.6 IC2.7 IC2.11 IC2.14 IC2.15 IC2.16 IC2.17 IC2.19 IC2.21 IC2.22 IC2.25 IC3.2 IC3.3 IC4.2 IC4.3 IC4.4 IC4.40 IC5.1 IC5.3 IC5.10 IC7.4 IC8.1 IC8.9 IC8.10 IC8.14 IC8.16 IC8.17 IC8.18 IC8.22 IC8.24 IC12.4 JP1.0 JP2.0 JP3.18 K1. K1.b K1.s SW_PWR. SW_PWR.3 SW_PWR.4 USB1.1 USB1.2 USB1.3 USB1.4 USB1.A5 USB1.A8 USB1.B5 USB1.B8
copper on no net:
  other v16: 28.737,-23.21 28.737,-17.43

## Polygon pours and split planes (outlines as drawn)
VBAT on BOTTOM06 "VBAT_L06_P041" (solid, pour order 41): 12.366,-11.557 11.557,-11.557 11.557,-13.118 8.951,-13.118 8.951,-11.477 7.808,-11.477 7.808,-14.688 7.05,-14.688 7.05,-16.764 7.747,-16.764 7.747,-15.06 12.366,-15.06
GND on BOTTOM06 "GND_L06_P084" (solid, pour order 84): 6.825,-11.557 6.825,-12.319 7.088,-12.319 7.088,-14.478 7.645,-14.478 7.645,-11.557
VBUS on BOTTOM06 "VBUS_L06_P079" (solid, pour order 79): 25.781,-19.939 23.876,-19.939 23.876,-21.717 25.781,-21.717
BAT+ on BOTTOM06 "BAT+_L06_P067" (solid, pour order 67): 23.368,-21.082 23.368,-22.733 20.908,-22.733 20.908,-21.082
+1.8V on BOTTOM06 "+1.8V_L06_P070" (solid, pour order 70): 11.176,-18.415 9.652,-18.415 9.652,-15.367 11.176,-15.367
GND on BOTTOM06 "GND_L06_P078" (solid, pour order 78): 12.614,-15.367 11.684,-15.367 11.684,-18.415 12.614,-18.415
+5V on BOTTOM06 "+5V_L06_P054" (solid, pour order 54): 6.858,-12.827 6.858,-14.522 4.318,-14.522 4.318,-12.827
NetIC9_4 on BOTTOM06 "NETIC9_4_L06_P050" (solid, pour order 50): 5.334,-23.744 2.286,-23.744 2.286,-26.67 5.334,-26.67
NetC27_2 on BOTTOM06 "NETC27_2_L06_P068" (solid, pour order 68): 20.913,-15.367 20.913,-17.145 22.606,-17.145 22.606,-18.669 23.368,-18.669 23.368,-15.367
VBUS on BOTTOM06 "VBUS_L06_P066" (solid, pour order 66): 26.035,-17.72 26.035,-16.764 25.019,-15.748 24.003,-15.748 23.749,-16.002 23.749,-16.637 24.003,-16.891 24.765,-16.891 25.146,-17.272 25.146,-18.609
+15V on BOTTOM06 "+15V_L06_P044" (solid, pour order 44): 14.732,-21.844 11.684,-21.844 11.684,-19.558 10.16,-19.558 10.16,-26.416 11.43,-26.416 11.43,-23.368 14.732,-23.368
GND on BOTTOM06 "GND_L06_P053" (solid, pour order 53): 8.128,-22.86 1.778,-22.86 1.778,-21.59 1.016,-21.59 1.016,-24.638 1.778,-24.638 1.778,-23.368 5.588,-23.368 5.588,-26.416 6.604,-26.416 6.604,-23.368 8.128,-23.368
VBAT on BOTTOM06 "VBAT_L06_P052" (solid, pour order 52): 21.844,-25.146 19.304,-25.146 19.304,-25.908 21.844,-25.908
VBAT on BOTTOM06 "VBAT_L06_P049" (solid, pour order 49): 1.397,-18.034 1.397,-19.05 2.224,-19.05 2.224,-22.538 5.334,-22.538 5.334,-21.59 3.302,-21.59 3.302,-18.034
NetD1_1 on BOTTOM06 "NETD1_1_L06_P046" (solid, pour order 46): 8.128,-22.416 6.858,-22.416 6.858,-21.082 4.318,-21.082 4.318,-18.034 5.842,-18.034 5.842,-19.558 8.128,-19.558
NetC23_1 on BOTTOM06 "NETC23_1_L06_P043" (solid, pour order 43): 9.906,-23.731 9.906,-26.416 6.858,-26.416 6.858,-23.731
GND on BOTTOM06 "GND_L06_P037" (solid, pour order 37): 2.495,-9.271 2.495,-12.082 1.651,-12.082 1.651,-10.033 0.635,-10.033 0.635,-9.271
+3.3V on BOTTOM06 "+3.3V_L06_P034" (solid, pour order 34): 2.032,-13.716 0.762,-13.716 0.762,-16.764 2.032,-16.764
VBAT on BOTTOM06 "VBAT_L06_P032" (solid, pour order 32): 2.728,-9.398 3.81,-9.398 3.81,-13.462 0.762,-13.462 0.762,-10.922 1.439,-10.922 1.439,-12.7 2.728,-12.7
VBUS on TOP01 "VBUS_L01_P083" (solid, pour order 83): 22.69,-22.506 23.495,-22.506 23.495,-21.336 24.257,-20.574 24.257,-19.409 23.495,-19.409 23.495,-20.066 22.69,-20.871
+5V on PWR04 (split plane): 6.577,-28.956 6.583,-28.996 6.598,-29.033 6.622,-29.065 6.654,-29.089 6.691,-29.104 6.731,-29.11 16.864,-29.11 16.864,-30.834 4.445,-30.834 4.405,-30.84 4.368,-30.855 4.336,-30.879 4.312,-30.911 4.297,-30.948 4.291,-30.988 4.291,-32.982 1.27,-32.982 1.261,-32.982 1.204,-32.975 1.143,-32.95 1.091,-32.909 1.05,-32.857 1.025,-32.796 1.018,-32.739 1.018,-32.73 1.018,-19.585 4.064,-19.585 4.104,-19.579 4.141,-19.564 4.173,-19.54 4.197,-19.508 4.212,-19.471 4.218,-19.431 4.218,-12.854 6.577,-12.854
+3.3V on PWR04 (split plane): 223 vertices, not listed, extent 1.018,-32.982 32.982,-1.018
VBAT on PWR04 (split plane): 10.387,-13.97 10.393,-14.01 10.408,-14.047 10.432,-14.079 10.464,-14.103 10.501,-14.118 10.541,-14.124 17.88,-14.124 17.88,-18.288 17.88,-20.955 17.88,-21.463 17.886,-21.503 17.901,-21.54 17.925,-21.572 20.293,-23.94 20.293,-26.008 19.204,-26.008 19.204,-24.13 19.198,-24.09 19.183,-24.053 19.159,-24.021 16.664,-21.526 16.664,-16.764 16.664,-15.113 16.658,-15.073 16.643,-15.036 16.619,-15.004 16.587,-14.98 16.55,-14.965 16.51,-14.959 9.171,-14.959 9.171,-12.7 9.165,-12.66 9.15,-12.623 9.126,-12.591 9.094,-12.567 9.057,-12.552 9.017,-12.546 4.064,-12.546 4.024,-12.552 3.987,-12.567 3.955,-12.591 3.931,-12.623 3.916,-12.66 3.91,-12.7 3.91,-19.277 1.018,-19.277 1.018,-19.132 1.022,-19.127 1.037,-19.09 1.043,-19.05 1.043,-18.061 2.54,-18.061 2.58,-18.055 2.617,-18.04 2.649,-18.016 2.673,-17.984 2.688,-17.947 2.694,-17.907 2.694,-14.097 2.694,-9.806 10.387,-9.806
BAT+ on PWR04 (split plane): 22.579,-14.669 22.579,-19.939 22.579,-22.479 22.585,-22.519 22.594,-22.543 22.585,-22.566 22.579,-22.606 22.585,-22.646 22.6,-22.683 22.624,-22.715 24.529,-24.62 24.561,-24.644 24.598,-24.659 24.638,-24.665 26.643,-24.665 26.643,-32.982 21.78,-32.982 21.717,-32.978 12.446,-32.978 12.383,-32.982 4.599,-32.982 4.599,-31.142 25.4,-31.142 25.44,-31.136 25.477,-31.121 25.509,-31.097 25.533,-31.065 25.548,-31.028 25.554,-30.988 25.554,-25.781 25.548,-25.741 25.533,-25.704 25.509,-25.672 25.477,-25.648 25.44,-25.633 25.4,-25.627 21.363,-25.627 21.363,-14.986 21.357,-14.946 21.347,-14.92 21.342,-14.909 21.332,-14.895 21.318,-14.877 19.54,-13.099 19.508,-13.075 19.471,-13.06 19.431,-13.054 11.457,-13.054 11.457,-11.965 19.875,-11.965
+1.8V on PWR04 (split plane): 17.245,-45.21 13.21,-45.21 13.21,-35.065 14.613,-35.065 14.696,-35.099 14.696,-35.065 17.245,-35.065
+5V on PWR04 (split plane): 20.826,-45.21 17.553,-45.21 17.553,-35.065 19.34,-35.065 19.34,-35.099 19.423,-35.065 20.826,-35.065
+1.8V on PWR04 (split plane): 10.514,-27.178 10.52,-27.218 10.535,-27.255 10.559,-27.287 10.591,-27.311 10.628,-27.326 10.668,-27.332 15.213,-27.332 15.213,-28.802 9.552,-28.802 9.552,-16.156 10.514,-16.156
+15V on PWR04 (split plane): 18.306,-27.16 18.338,-27.184 18.375,-27.199 18.415,-27.205 24.23,-27.205 24.23,-28.294 18.225,-28.294 13.444,-23.513 13.412,-23.489 13.375,-23.474 13.335,-23.468 10.822,-23.468 10.822,-21.998 13.144,-21.998
VBUS on PWR04 (split plane): 25.119,-22.325 22.887,-22.325 22.887,-20.093 25.119,-20.093
GND on GND05 (split plane): 32.849,-0.518 32.965,-0.545 33.076,-0.591 33.178,-0.654 33.269,-0.731 33.346,-0.822 33.409,-0.924 33.455,-1.035 33.482,-1.151 33.491,-1.257 33.49,-1.27 33.49,-15.791 33.484,-15.831 33.485,-15.84 33.484,-15.85 33.484,-24.842 33.485,-24.85 33.485,-32.725 33.489,-32.768 33.482,-32.849 33.455,-32.965 33.409,-33.076 33.346,-33.178 33.269,-33.269 33.178,-33.346 33.076,-33.409 32.965,-33.455 32.849,-33.482 32.743,-33.491 32.73,-33.49 21.759,-33.49 21.717,-33.486 12.446,-33.486 12.404,-33.49 1.27,-33.49 1.257,-33.491 1.151,-33.482 1.035,-33.455 0.924,-33.409 0.822,-33.346 0.731,-33.269 0.654,-33.178 0.591,-33.076 0.545,-32.965 0.518,-32.849 0.509,-32.743 0.51,-32.73 0.51,-1.27 0.509,-1.257 0.518,-1.151 0.545,-1.035 0.591,-0.924 0.654,-0.822 0.731,-0.731 0.822,-0.654 0.924,-0.591 1.035,-0.545 1.151,-0.518 1.257,-0.509 1.27,-0.51 32.73,-0.51 32.743,-0.509
GND on GND05 (split plane): 21.022,-34.583 21.11,-34.63 21.187,-34.693 21.25,-34.77 21.297,-34.858 21.326,-34.953 21.335,-35.04 21.334,-35.052 21.334,-45.212 21.335,-45.224 21.326,-45.311 21.297,-45.406 21.25,-45.494 21.187,-45.571 21.11,-45.634 21.022,-45.681 20.927,-45.71 20.84,-45.719 20.828,-45.718 13.208,-45.718 13.196,-45.719 13.109,-45.71 13.014,-45.681 12.926,-45.634 12.849,-45.571 12.786,-45.494 12.739,-45.406 12.71,-45.311 12.701,-45.224 12.702,-45.212 12.702,-35.052 12.701,-35.04 12.71,-34.953 12.739,-34.858 12.786,-34.77 12.849,-34.693 12.926,-34.63 13.014,-34.583 13.101,-34.556 20.935,-34.556
BAT- on GND05 (split plane): 7.892,-30.335 7.924,-30.359 7.961,-30.374 8.001,-30.38 9.371,-30.38 9.371,-31.85 7.938,-31.85 5.951,-29.863 5.919,-29.839 5.882,-29.824 5.842,-29.818 4.218,-29.818 4.218,-28.094 5.651,-28.094

## Keep-outs
Keep-Out Layer:
  lines w0.254: 0,-32.73 ccw(c1.27,-32.73) 1.27,-34 14.696,-34 cw(c14.696,-34.036) 14.732,-34.036 13.208,-34.036 ccw(c13.208,-35.052) 12.192,-35.052 12.192,-45.212 ccw(c13.208,-45.212) 13.208,-46.228 20.828,-46.228 ccw(c20.828,-45.212) 21.844,-45.212 21.844,-35.052 ccw(c20.828,-35.052) 20.828,-34.036 19.304,-34.036 cw(c19.34,-34.036) 19.34,-34 32.73,-34 ccw(c32.73,-32.73) 34,-32.73 33.995,-32.725 33.995,-24.842 33.994,-24.842 33.994,-15.85 34,-15.844 34,-1.27 ccw(c32.73,-1.27) 32.73,0 1.27,0 ccw(c1.27,-1.27) 0,-1.27 0,-32.73

## Other copper
PWR04 (plane layer: these items are gaps in the copper):
  lines w0.305: 0.889,-19.431 4.064,-19.431 4.064,-12.7 9.017,-12.7 9.017,-15.113 16.51,-15.113 16.51,-16.764 16.51,-21.59 19.05,-24.13 19.05,-26.162 20.447,-26.162 20.447,-23.876 18.034,-21.463 18.034,-20.955 18.034,-18.288 18.034,-13.97 10.541,-13.97 10.541,-9.652 2.54,-9.652 2.54,-14.097 2.54,-17.907 0.889,-17.907 0.889,-19.05 ; 4.445,-33.02 4.445,-30.988 12.192,-30.988 21.336,-30.988 25.4,-30.988 25.4,-25.781 21.209,-25.781 21.209,-14.986 19.431,-13.208 11.303,-13.208 11.303,-11.811 19.939,-11.811 22.733,-14.605 22.733,-19.939 ; 4.953,-30.988 17.018,-30.988 17.018,-28.956 6.731,-28.956 6.731,-12.7 4.953,-12.7 ; 9.398,-28.956 9.398,-16.002 10.668,-16.002 10.668,-27.178 11.176,-27.178 15.367,-27.178 15.367,-28.956 15.113,-28.956 ; 10.668,-23.622 13.335,-23.622 18.161,-28.448 24.384,-28.448 24.384,-27.051 18.415,-27.051 13.208,-21.844 10.668,-21.844 ; 17.399,-45.339 17.399,-35.052 ; 22.733,-22.606 24.638,-24.511 26.797,-24.511 26.797,-33.02 ; 22.733,-19.939 22.733,-22.479 25.273,-22.479 25.273,-19.939 22.733,-19.939
  lines w2.083: 12.446,-34.021 21.717,-34.021
GND05 (plane layer: these items are gaps in the copper):
  lines w0.305: 4.064,-29.972 4.064,-27.94 5.715,-27.94 8.001,-30.226 9.525,-30.226 9.525,-32.004 7.874,-32.004 5.842,-29.972 4.064,-29.972
  lines w1.067: 12.446,-34.021 21.717,-34.021

## Text inside footprints (layer, text, board x,y; h text height)
H1: Bottom Overlay "+" at 5.842,-30.776 h1.27 r180; Bottom Overlay "-" at 5.842,-27.559 h1.27 r180